# Altium PCB GameBoard_V1I1.PcbDoc (part 7 of 22) (continued)
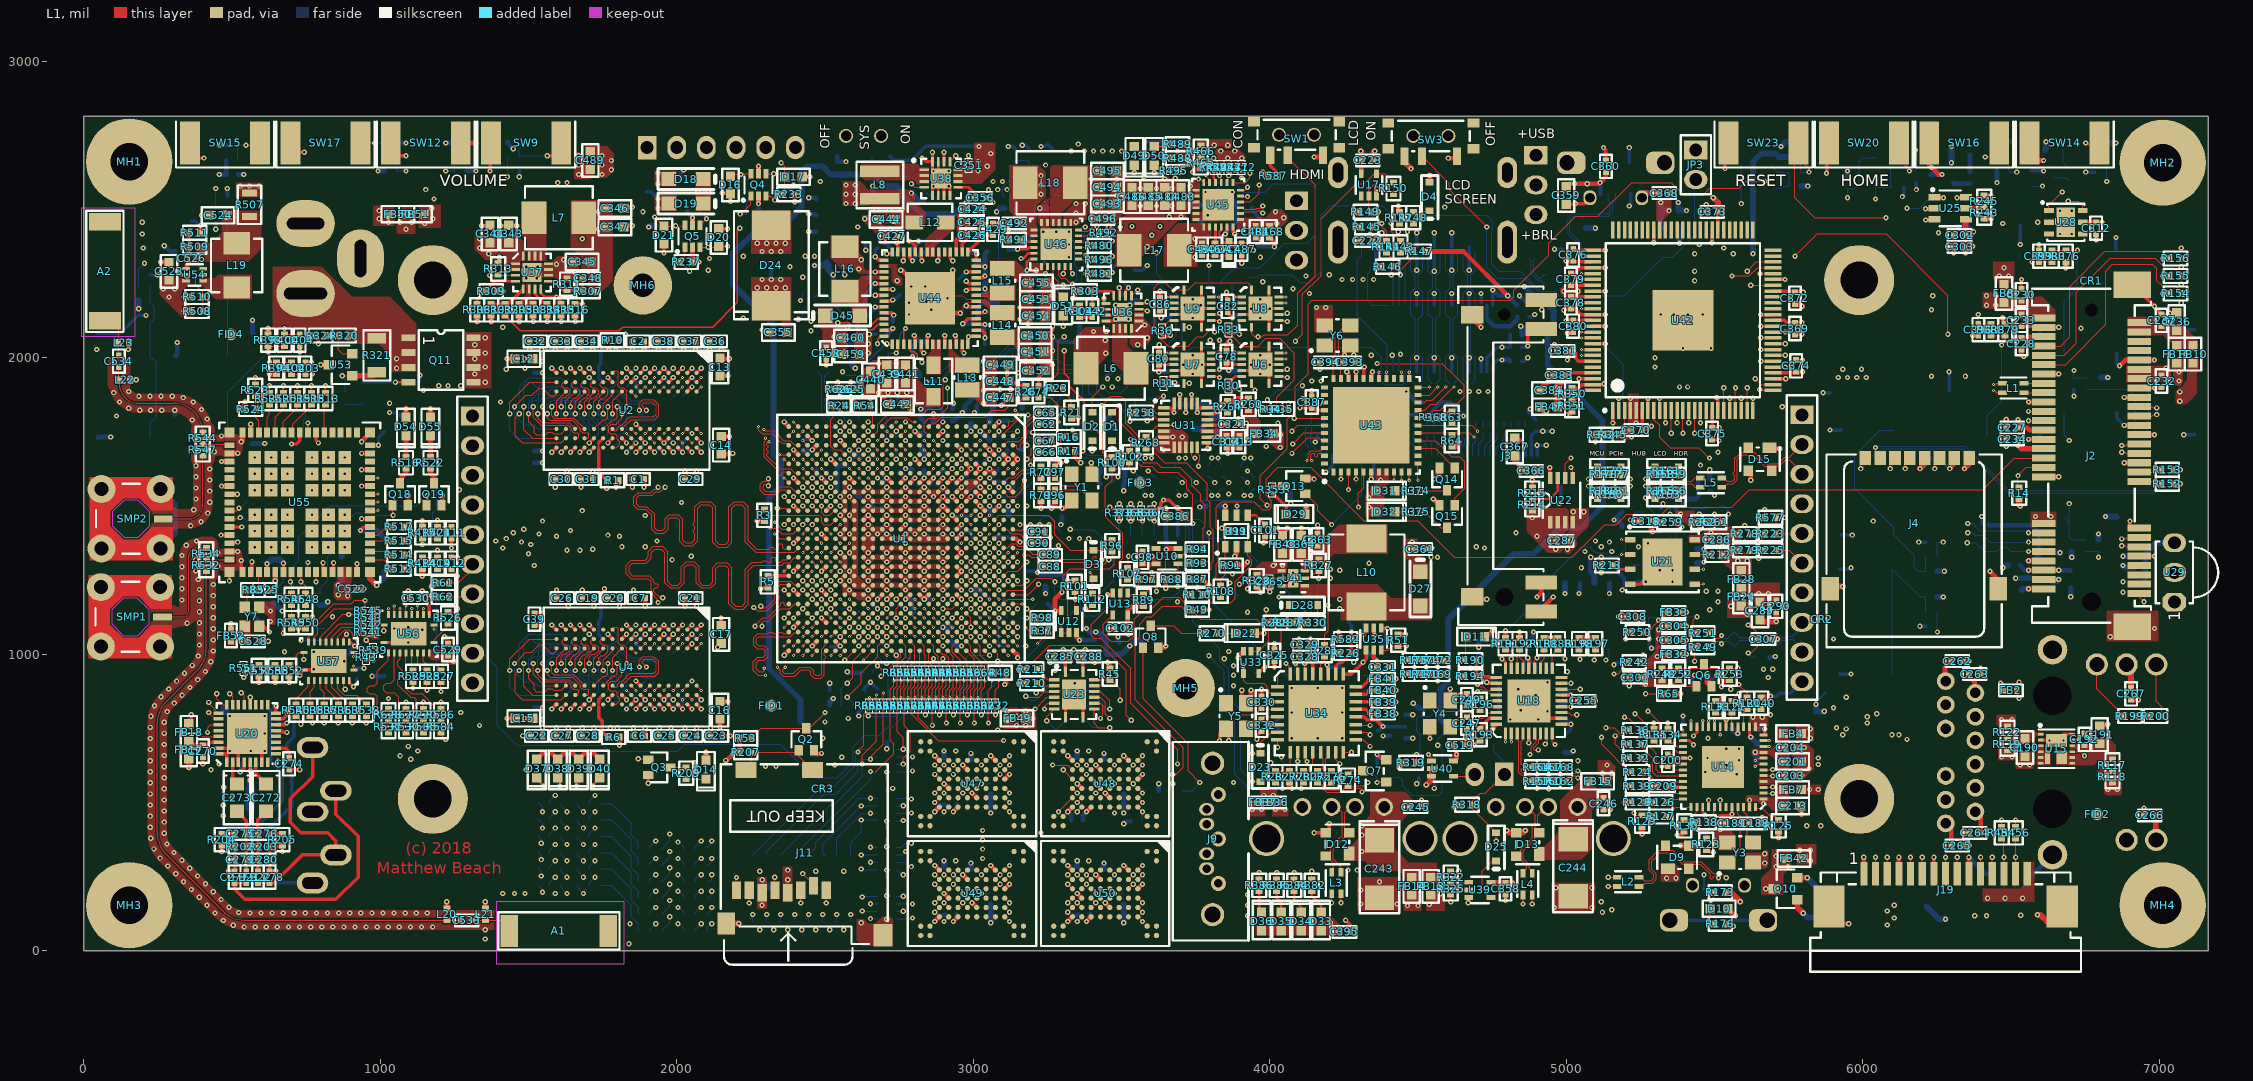
[diagram p0: L1 view]
## Nets (pads, with @x,y where several pads share a name; then routed paths per layer and width w, separated by ;. In a path a pad name is that pad's centre, name@x,y a point inside that pad or via, vN(x,y) a via of type N, cw(c..) or ccw(c..) an arc to the next point about the centre after c; other vN are vias at no path point) (continued)
  L12 w11.81: TP53.1@4267.72,1106.3 4275.59,1098.43 v1(4275.59,1074.8)
ANALOG_IN_2: R227.2 R583.2 TP54.1 U34.20 | length 204.4
  L1 w11.81: U34.20@4290.35,788.39 4317.91,788.39 4326.77,779.53 4358.27,779.53 v1(4381.89,755.91)
  L12 w11.81: TP54.1@4362.2,744.09 4370.08,744.09 v1(4381.89,755.91) R227.2@4456.69,755.91
ANALOG_IN_3: R228.2 TP55.1 U34.27 | length 130.1
  L1 w11.81: v1(4192.91,964.57) 4196.85,960.63 U34.27@4196.85,933.07
  L12 w11.81: v1(4192.91,964.57) 4200.79,956.69 TP55.1@4232.28,956.69 4240.02,964.43 R228.2@4240.02,1007.87
ANT1: R532.1 R534.2 U55.32 | length 77.8
  L1 w3.66: R532.1@413.39,1318.9 U55.32@491.14,1318.9
ANT1_FEED: A1.1 C533.2 L21.1 | length 159.4
  L1 w3.66: C533.2@1311.02,102.36 A1.1@1435.04,102.36
  L1 w11.81: A1.1@1435.04,66.93 A1.1@1435.04,102.36
ANT1_LC: C533.1 L20.1 R532.2 | length 2108.4
  L1 w3.15: R532.2@413.39,1279.53 413.39,1017.8 cw(c313.39,1017.8) 384.1,947.09 277.32,840.31 ccw(c348.03,769.6) 248.03,769.6 248.03,395.75 ccw(c348.03,395.75) 277.32,325.04 469.73,132.64 ccw(c540.44,203.35) 540.44,103.35 586.61,103.35 L20.1@1224.41,103.35 ; L20.1@1228.35,103.35 L20.1@1224.41,103.35 ; C533.1@1271.65,102.36 1225.39,102.36 L20.1@1224.41,103.35
ANT1_SMP: R534.1 SMP1.1 | length 359.7
  L1 w3.15: SMP1.1@265.75,1125.98 336.95,1125.98 ccw(c336.95,1139.43) 346.46,1129.92 ccw(c327.45,1148.93) 354.33,1148.93 354.33,1331.38 cw(c381.21,1331.38) 362.2,1350.39 cw(c381.21,1331.38) 381.21,1358.27 R534.1@413.39,1358.27
ANT2: R544.1 R547.2 U55.18 | length 91.2
  L1 w3.66: R544.1@401.57,1708.66 487.2,1708.66 U55.18@491.14,1704.72
ANT2_FEED: A2.1 C534.2 L23.1 | length 163.4
  L1 w3.15: A2.1@70.87,2124.02 118.11,2124.02 C534.2@118.11,2007.87
ANT2_LC: C534.1 L22.1 R544.2 | length 432.8
  L1 w3.15: C534.1@118.11,1968.5 118.11,1926.18 L22.1@119.09,1925.2 119.09,1912.4 ccw(c185.04,1912.4) 185.04,1846.46 303.15,1846.46 cw(c303.15,1748.03) R544.2@401.57,1748.03
ANT2_SMP: R547.1 SMP2.1 | length 326.3
  L1 w3.15: SMP2.1@267.72,1456.69 357.31,1456.69 ccw(c357.31,1497.02) 385.83,1468.5 ccw(c347.81,1506.52) 401.57,1506.52 R547.1@401.57,1669.29
AUD3_CLK: R58.2 U20.21 | length 4278.8
  L1 w3.15: v1(531.5,870.08) 541.34,860.24 U20.21@541.34,829.13
  L3 w3.15: v1(531.5,870.08) 531.5,889.76 598.43,956.69 598.43,1137.8 665.35,1204.72 775.59,1204.72 858.27,1287.4 858.27,1732.28 893.1,1767.12 893.1,1775.47 887.63,1780.94 887.63,1789.29 895.98,1797.64 904.33,1797.64 923.63,1778.35 931.98,1778.35 940.33,1786.7 940.33,1795.05 921.03,1814.35 921.03,1822.7 929.39,1831.05 937.74,1831.05 957.03,1811.75 965.39,1811.75 973.74,1820.11 973.74,1828.46 968.27,1833.93 968.27,1842.28 988.19,1862.2 988.19,1987.2 1056.1,2055.12 1255.91,2055.12 1287.4,2086.61 1322.83,2086.61 1350.39,2114.17 1350.39,2125.98 1377.95,2153.54 1396.65,2153.54 1428.15,2185.04 1622.05,2185.04 1641.73,2204.72 1688.98,2204.72 1830.71,2346.46 1937.01,2346.46 1944.88,2338.58 2003.94,2338.58 2015.75,2350.39 2157.48,2350.39 2165.35,2358.27 2229.54,2358.27 2255.13,2332.68 2373.24,2332.68 2406.71,2366.14 2467.31,2366.14 2480.32,2353.14 2480.32,2260.83 2496.06,2245.08 2496.06,2208.66 2593.5,2111.22 2593.5,2078.53 2639.55,2032.48 2649.82,2032.48 2700.79,1981.51 2700.79,1921.26 2728.35,1893.7 2728.35,1874.02 2700.79,1846.46 2700.79,1749.23 2723.43,1726.59 2723.43,1703.74 2704.72,1685.04 2685.04,1685.04 2677.17,1677.17 2677.17,1674.19 2677.17,1664.4 2684.09,1657.48 2704.72,1657.48 2723.43,1638.78 2723.43,1619.87 2713.79,1610.24 2661.42,1610.24 v2(2645.67,1625.98)
  L12 w3.15: v2(2645.67,1625.98) R58.2@2673.23,1653.54
AUD3_CLK_R: R58.1 U1.T5 | length 69.1
  L1 w3.15: v2(2645.67,1657.48) U1.T5@2661.42,1641.73
  L12 w3.15: v2(2645.67,1657.48) 2645.67,1665.35 R58.1@2673.23,1692.91
AUD3_RXD: U1.N3 U20.25 | length 4451.1
  L1 w3.15: v1(421.26,837.3) 421.26,834.25 U20.25@454.33,801.18 ; U1.N3@2755.91,1704.73 v3(2771.65,1688.98)
  L3 w3.15: v1(421.26,837.3) 421.26,893.03 473.12,944.88 473.12,980.99 515.75,1023.62 515.75,1181.88 550.65,1216.77 550.65,1225.13 542.66,1233.11 542.66,1241.46 551.01,1249.81 559.37,1249.81 571.52,1237.65 582.88,1226.3 591.23,1226.3 599.58,1234.65 599.58,1243 588.23,1254.36 576.07,1266.52 576.07,1274.87 584.42,1283.22 592.77,1283.22 600.76,1275.24 609.11,1275.24 665.35,1331.48 665.35,1763.78 688.38,1786.8 688.38,1795.15 683.08,1800.45 683.08,1808.8 691.43,1817.16 699.78,1817.16 718.73,1798.2 727.08,1798.2 735.43,1806.56 735.43,1814.91 716.48,1833.86 716.48,1842.21 724.83,1850.56 733.19,1850.56 752.14,1831.61 760.49,1831.61 768.84,1839.96 768.84,1848.31 763.54,1853.61 763.54,1861.97 771.65,1870.08 800.41,1870.08 846.46,1916.13 846.46,2023.62 937.01,2114.17 1248.03,2114.17 1503.94,2370.08 1744.09,2370.08 1767.72,2393.7 1925.2,2393.7 1951.77,2420.28 2385.83,2420.28 2405.51,2439.96 2465.55,2439.96 2523.62,2381.89 2523.62,2314.96 2542.32,2296.26 2542.32,2252.95 2645.67,2149.61 2673.23,2149.61 2708.66,2114.17 2733.48,2114.17 2763.78,2083.87 2763.78,1941.78 2806.1,1899.45 2806.1,1869.25 2788.23,1851.38 2776.57,1851.38 2740.16,1814.96 2740.16,1783.98 2763.78,1760.36 2763.78,1741.35 2751.97,1729.54 2751.97,1708.66 v4(2759.84,1700.79)
  L2 w3.15: v4(2759.84,1700.79) v3(2771.65,1688.98)
AUD3_TXC: R57.2 U20.24 | length 4298.4
  L1 w3.15: v1(448.82,866.14) 448.82,850.39 470.08,829.13 U20.24@482.28,829.13
  L3 w3.15: v1(448.82,866.14) 448.82,838.58 429.13,818.9 413.39,818.9 405.51,811.02 405.51,795.28 413.39,787.4 460.63,787.4 516.73,843.5 516.73,919.5 582.68,985.45 582.68,1139.46 666.23,1223.01 734.82,1223.01 768.7,1256.89 768.7,1300.2 810.04,1341.54 810.04,1756.95 960.63,1907.54 960.63,1991.14 1036.61,2067.13 1248.23,2067.13 1350.39,2169.29 1383.86,2169.29 1442.91,2228.35 1685.04,2228.35 1818.9,2362.2 1941.93,2362.2 1957.68,2377.95 2082.68,2377.95 2095.47,2390.75 2177.38,2390.75 2189.68,2378.44 2246.35,2378.44 2281.29,2343.5 2367.13,2343.5 2405.51,2381.89 2477.57,2381.89 2494.09,2365.37 2494.09,2269.84 2507.87,2256.06 2507.87,2228.35 2610.24,2125.98 2610.24,2097.23 2643.49,2063.98 2652.56,2063.98 2662.4,2054.13 2662.4,2041.13 2712.6,1990.93 2712.6,1937.01 2759.84,1889.76 2759.84,1874.69 2751.29,1866.14 2740.16,1866.14 2712.6,1838.58 2712.6,1787.4 2708.66,1783.46 2708.66,1755.91 2732.16,1732.4 2732.16,1665.47 v2(2740.16,1657.48)
  L12 w3.15: v2(2740.16,1657.48) R57.2@2740.16,1685.04
AUD3_TXC_R: R57.1 U1.N1 | length 49.8
  L1 w3.15: v2(2740.16,1751.97) U1.N1@2755.91,1767.72
  L12 w3.15: R57.1@2740.16,1724.41 v2(2740.16,1751.97)
AUD3_TXD: U1.P2 U20.26 | length 4448.7
  L1 w3.15: v1(421.26,803.15) 421.77,803.15 443.42,781.5 U20.26@454.33,781.5 ; v3(2708.66,1751.97) U1.P2@2724.41,1736.22
  L3 w3.15: v1(421.26,803.15) 452.76,803.15 507.87,858.27 507.87,933.07 562.99,988.19 562.99,1144.48 748.03,1329.51 748.03,1545.28 742.13,1551.18 733.15,1551.18 727.24,1557.09 727.24,1568.9 733.15,1574.8 754.83,1574.8 760.74,1580.71 760.74,1592.52 754.83,1598.43 733.15,1598.43 727.24,1604.33 727.24,1616.14 733.15,1622.05 742.13,1622.05 748.03,1627.95 748.03,1651.57 742.13,1657.48 732.03,1657.48 726.13,1663.39 726.13,1675.2 732.03,1681.1 742.13,1681.1 748.03,1687.01 748.03,1724.41 913.39,1889.76 913.39,1984.25 945.12,2015.99 945.12,2024.34 939.33,2030.13 939.33,2038.48 947.68,2046.83 956.03,2046.83 961.82,2041.04 970.18,2041.04 1011.81,2082.68 1248.03,2082.68 1417.32,2251.97 1541.34,2251.97 1547.24,2257.87 1547.24,2292.14 1553.15,2298.04 1564.96,2298.04 1570.87,2292.14 1570.87,2246.05 1576.77,2240.14 1588.58,2240.14 1594.49,2246.05 1594.49,2292.14 1600.39,2298.04 1612.2,2298.04 1618.11,2292.14 1618.11,2246.05 1624.02,2240.14 1635.83,2240.14 1641.73,2246.05 1641.73,2292.14 1647.64,2298.04 1659.45,2298.04 1665.35,2292.14 1665.35,2257.87 1671.26,2251.97 1685.04,2251.97 1806.1,2373.03 1937.01,2373.03 1965.55,2401.57 2469.02,2401.57 2502.95,2367.64 2502.95,2272.12 2515.75,2259.32 2515.75,2240.16 2693.9,2062.01 2693.9,2038.39 2724.41,2007.87 2724.41,1943.69 2738.96,1929.13 2749.23,1929.13 2790.35,1888.01 2790.35,1875.77 2781.71,1867.13 2763.41,1867.13 2720.47,1824.19 v4(2720.47,1763.78)
  L2 w3.15: v3(2708.66,1751.97) v4(2720.47,1763.78)
AUD3_TXFS: U1.N4 U20.23 | length 4450.4
  L1 w3.15: v1(492.13,866.14) 501.97,856.3 U20.23@501.97,829.13 ; U1.N4@2755.91,1673.23 v3(2771.65,1657.48)
  L3 w3.15: v1(492.13,866.14) 492.13,952.76 547.24,1007.87 547.24,1161.42 618.11,1232.28 618.11,1251.97 636.29,1270.15 636.29,1270.67 657.69,1270.67 704.72,1317.7 704.72,1421.26 712.6,1429.13 728.35,1429.13 736.22,1437.01 736.22,1448.82 728.35,1456.69 712.6,1456.69 704.72,1464.57 704.72,1476.38 712.6,1484.25 728.35,1484.25 736.22,1492.13 736.22,1503.94 728.35,1511.81 696.85,1511.81 688.98,1519.68 688.98,1531.5 696.85,1539.37 708.66,1539.37 715.55,1546.26 715.55,1725.6 709.65,1731.51 685.14,1731.51 679.24,1737.41 679.24,1749.23 685.14,1755.13 707.89,1755.13 780.51,1827.75 791.34,1827.75 807.36,1811.72 815.71,1811.72 824.07,1820.08 824.07,1828.43 800.55,1851.94 800.55,1859.09 810.11,1868.65 817.25,1868.65 840.77,1845.13 849.12,1845.13 857.47,1853.48 857.47,1861.83 838.13,1881.17 838.13,1889.53 850.18,1901.57 875,1901.57 889.76,1916.34 889.76,2031.5 956.69,2098.43 1249.38,2098.43 1497.41,2346.46 1731.61,2346.46 1768.03,2382.87 1929.13,2382.87 1955.71,2409.45 2472.28,2409.45 2512.8,2368.94 2512.8,2273.41 2523.62,2262.59 2523.62,2251.97 2643.08,2132.51 2662.25,2132.51 2755.91,2038.85 2755.91,1938.52 2798.23,1896.19 2798.23,1872.51 2784.97,1859.25 2773.31,1859.25 2732.28,1818.22 2732.28,1780.72 2754.92,1758.08 2754.92,1743.63 2740.16,1728.87 2740.16,1696.85 2748.03,1688.98 2759.84,1688.98 2779.53,1669.29 v4(2783.46,1669.29)
  L2 w3.15: v3(2771.65,1657.48) v4(2783.46,1669.29)
AUD_HP_L: C272.1 U20.6 | length 87.5
  L1 w11.81: U20.6@580.71,635.43 580.71,596.54 C272.1@615.08,562.17
AUD_HP_R: C273.1 U20.2 | length 79.4
  L1 w11.81: U20.2@501.97,635.43 501.97,576.85 C273.1@516.65,562.17
AUD_HP_VGND: R201.1 U20.4 | length 75.2
  L1 w11.81: v1(527.56,602.36) 541.34,616.14 U20.4@541.34,635.43
  L12 w15.75: v1(527.56,602.36) 527.56,622.05 R201.1@539.37,633.86
AUD_VAG: C274.1 U20.10 | length 71.4
  L1 w11.81: U20.10@648.03,683.07 681.1,683.07 692.91,671.26 C274.1@692.91,649.61
BAT1: C488.1 R475.1 U45.13 U45.14
  other v1: 3602.36,2413.39 3535.43,2442.91 3629.92,2442.91 3661.42,2476.38 3728.35,2545.28 3732.28,2578.74
BAT2: C498.1 R476.1 U46.13 U46.14
  other v1: 3346.46,2456.69 3346.46,2488.19 3346.46,2519.68 3377.95,2519.68
BL_CTRL: D28.2 R327.1 R329.1 R330.2 U41.5 | length 300
  L1 w3.15: U41.5@4117.91,1255.91 4133.34,1255.91 4156.96,1279.53 R327.1@4165.35,1279.53 v1(4165.35,1255.91) ; R330.2@4165.35,1106.3 4161.42,1110.24 v1(4161.42,1133.86) D28.2@4161.42,1165.35 D28.2@4165.35,1169.29
  L12 w3.15: R329.1@4165.35,1106.3 4165.35,1129.92 v1(4161.42,1133.86) 4161.42,1228.35 4165.35,1232.28 v1(4165.35,1255.91)
BL_PWM: R329.2 U1.B19 | length 1633.2
  L1 w3.15: U1.B19@3102.36,1200.79 3117.01,1215.43 3172.13,1215.43 3212.6,1255.91 3263.78,1255.91 v1(3275.59,1244.09)
  L12 w3.15: v1(3275.59,1244.09) 3275.59,1200.79 3291.34,1185.04 3314.96,1185.04 3334.65,1204.72 3350.39,1204.72 3362.2,1192.91 3362.2,1141.73 3374.02,1129.92 3417.32,1129.92 3472.44,1185.04 3667.42,1185.04 3728.35,1245.97 3728.35,1420.74 3725.39,1423.69 3725.39,1447.06 3734.04,1455.71 3762.02,1455.71 3778.54,1439.19 3778.54,1405.3 3792.11,1391.73 3879.7,1391.73 4066.93,1204.5 4066.93,1133.86 4094.49,1106.3 R329.2@4125.98,1106.3
BOARD_ID_1: R73.2 U1.W23 | length 56.8
  L1 w3.15: v2(2551.18,1059.06) U1.W23@2566.93,1074.8
  L12 w3.15: R73.2@2518.98,1064.62 2545.61,1064.62 v2(2551.18,1059.06)
BOARD_VARIANT_0: R72.1 R76.2 U1.P25 | length 203
  L1 w3.15: U1.P25@2724.41,1011.81 v2(2740.16,996.06)
  L12 w3.15: R72.1@2712.6,826.77 2712.6,925.2 2740.16,952.76 v2(2740.16,996.06)
BOARD_VARIANT_1: R71.1 R75.2 U1.R24 | length 307.2
  L1 w3.15: v1(2574.8,854.33) 2622.05,901.57 2622.05,937.01 2677.17,992.13 2677.17,1027.56 U1.R24@2692.91,1043.31
  L12 w3.15: R71.1@2594.49,825 2594.49,834.65 v1(2574.8,854.33) 2594.49,874.02 R75.2@2594.49,877.95
BOARD_VARIANT_2: R70.1 R74.2 U1.U25 | length 216.1
  L1 w3.15: v1(2574.8,901.57) 2594.12,920.89 2594.12,976.07 2612.2,994.16 2612.27,994.16 U1.U25@2629.92,1011.81
  L12 w3.15: R70.1@2555.12,826.77 R74.2@2555.12,877.95 2555.12,881.89 v1(2574.8,901.57)
BOOT_CFG_00: R578.1 R642.2 RN2.9 | length 1040.2
  L1 w3.15: v2(2763.78,629.21) 2763.78,649.61 2787.4,673.23 2787.4,738.19 2767.72,757.87 R642.2@2767.72,816.34
  L10 w3.15: v2(2303.15,122.05) 2366.14,185.04 2519.69,185.04 2590.55,255.91 2590.55,322.83 2678.15,410.43 2678.15,465.03 2763.78,550.66 v2(2763.78,629.21)
  L12 w3.15: R578.1@2303.15,98.43 v2(2303.15,122.05) ; RN2.9@2740.16,629.21 v2(2763.78,629.21)
BOOT_CFG_01: R579.1 R643.2 RN2.8 | length 1200
  L1 w3.15: v3(2897.64,854.33) 2897.64,881.89 2909.45,893.7 R643.2@2909.45,926.57
  L3 w3.15: v2(2795.28,653.54) 2795.28,677.17 2863.19,745.08 2871.58,745.08 2885.83,759.32 2885.83,767.72 2900.59,782.48 2900.59,811.02 2897.64,813.98 v4(2897.64,833.27)
  L10 w3.15: v2(2350.39,122.05) 2403.94,175.59 2521.37,175.59 2601.17,255.39 2601.17,290.14 2614.17,303.15 2629.07,303.15 2675.97,350.05 2675.97,381.37 2686.02,391.42 2686.02,461.77 2779.53,555.28 2779.53,618.11 2795.28,633.86 v2(2795.28,653.54)
  L2 w3.15: v4(2897.64,833.27) v3(2897.64,854.33)
  L12 w3.15: R579.1@2350.39,98.43 v2(2350.39,122.05) ; RN2.8@2740.16,654.25 2763.78,654.25 2764.49,653.54 v2(2795.28,653.54)
BOOT_CFG_02: R588.1 R644.2 RN2.10 | length 1015.3
  L1 w3.15: v2(2838.58,795.28) R644.2@2838.58,816.34
  L10 w3.15: v2(2397.64,122.05) 2424,122.05 2448.02,146.06 2510.64,146.06 2619.97,255.39 2631.31,255.39 2683.85,307.93 2683.85,378.11 2693.9,388.16 2693.9,458.51 2795.28,559.89 v2(2795.28,606.3) 2814.96,625.98 2814.96,692.91 2838.58,716.54 v2(2838.58,795.28)
  L12 w3.15: R588.1@2397.64,98.43 v2(2397.64,122.05) ; RN2.10@2740.16,604.25 2793.23,604.25 v2(2795.28,606.3)
BOOT_CFG_03: R629.1 R645.2 RN1.8 | length 1031.3
  L1 w3.15: v3(2874.02,854.33) 2874.02,881.89 2885.83,893.7 R645.2@2885.83,926.57
  L3 w3.15: v2(2763.78,488.9) 2763.78,606.3 2778.54,621.06 2778.54,687.01 2841.54,750 2841.54,764.76 2865.65,788.88 2865.65,811.52 2874.02,819.88 v4(2874.02,833.27)
  L10 w3.15: v2(2492.13,122.05) 2508.9,122.05 2528.58,141.73 2539.92,141.73 2723.43,325.24 2723.43,388.78 2739.67,405.02 2739.67,453.25 2763.78,477.36 v2(2763.78,488.9)
  L2 w3.15: v4(2874.02,833.27) v3(2874.02,854.33)
  L12 w3.15: R629.1@2492.13,98.43 v2(2492.13,122.05) ; RN1.8@2740.16,488.9 v2(2763.78,488.9)
BOOT_CFG_04: R630.1 R646.2 RN1.9 | length 926.2
  L1 w3.15: v2(2885.83,795.28) R646.2@2885.83,816.34
  L10 w3.15: v2(2539.37,122.05) 2685.04,267.72 2685.04,275.71 2731.3,321.97 2731.3,351.01 2749.02,368.73 2749.02,445.01 2768.57,464.57 v2(2791.34,464.57) 2830.71,503.94 2830.71,675.81 2870.08,715.18 2885.83,730.93 v2(2885.83,795.28)
  L12 w3.15: R630.1@2539.37,98.43 v2(2539.37,122.05) ; RN1.9@2740.16,463.86 2790.63,463.86 v2(2791.34,464.57)
BOOT_CFG_05: R631.1 R647.2 RN1.7 | length 999.8
  L1 w3.15: v2(2862.2,759.84) R647.2@2862.2,816.34
  L10 w3.15: v2(2444.88,122.05) 2471.25,122.05 2487.39,138.19 2513.9,138.19 2608,232.28 2619.34,232.28 2691.72,304.67 2691.72,374.85 2728.35,411.48 2728.35,481.82 2758.33,511.81 v2(2791.34,511.81) 2822.83,543.31 2822.83,679.08 2862.2,718.45 v2(2862.2,759.84)
  L12 w3.15: R631.1@2444.88,98.43 v2(2444.88,122.05) ; RN1.7@2740.16,513.86 2789.29,513.86 v2(2791.34,511.81)
BOOT_CFG_06: R632.1 R648.2 RN1.10 | length 981.6
  L1 w3.15: v3(2850.39,854.33) 2850.39,881.89 2862.2,893.7 R648.2@2862.2,926.57
  L3 w3.15: v2(2763.78,438.9) 2749.02,453.66 2749.02,685.33 2757.66,693.98 2758.16,693.98 2853.35,789.16 2853.35,811.02 2850.39,813.98 v4(2850.39,833.27)
  L10 w3.15: v2(2586.61,122.05) 2587.81,122.05 2740.16,274.4 2740.16,348.73 2760,368.58 2760,435.12 v2(2763.78,438.9)
  L2 w3.15: v4(2850.39,833.27) v3(2850.39,854.33)
  L12 w3.15: R632.1@2586.61,98.43 v2(2586.61,122.05) ; RN1.10@2740.16,438.9 v2(2763.78,438.9)
BOOT_CFG_07: R633.1 R649.2 RN1.5 | length 802.5
  L1 w3.15: v3(2803.15,854.33) 2803.15,881.89 2814.96,893.7 R649.2@2814.96,926.57
  L3 w3.15: v2(2653.54,513.86) 2724.41,584.72 2724.41,688.65 2803.15,767.39 v4(2803.15,833.27)
  L2 w3.15: v4(2803.15,833.27) v3(2803.15,854.33)
  L12 w3.15: R633.1@2444.88,322.83 2468.5,346.46 2468.5,366.14 2616.22,513.86 v2(2653.54,513.86) RN1.5@2677.17,513.86
BOOT_CFG_08: R634.1 R650.2 RN1.3 | length 768.6
  L1 w3.15: v3(2826.77,854.33) 2826.77,881.89 2838.58,893.7 R650.2@2838.58,926.57
  L3 w3.15: v2(2653.54,463.86) 2712.6,522.91 2712.6,555.12 2736.22,578.74 2736.22,689.32 2818.9,772 2818.9,803.15 2826.77,811.02 v4(2826.77,833.27)
  L2 w3.15: v4(2826.77,833.27) v3(2826.77,854.33)
  L12 w3.15: R634.1@2539.37,322.83 2539.37,379.15 2624.08,463.86 v2(2653.54,463.86) RN1.3@2677.17,463.86
BOOT_CFG_09: R635.1 R651.2 RN2.3 | length 685.6
  L1 w3.15: v2(2625.98,629.92) 2625.98,658.46 2673.23,705.71 2673.23,792.72 R651.2@2673.23,816.34
  L12 w3.15: R635.1@2350.39,322.83 2519.68,492.13 2531.5,492.13 2625.98,586.61 v2(2625.98,629.92) 2626.69,629.21 RN2.3@2677.17,629.21
BOOT_CFG_10: R636.1 R652.2 RN2.4 | length 726
  L1 w3.15: v2(2653.54,645.67) 2653.54,653.54 2696.85,696.85 R652.2@2696.85,816.34
  L12 w3.15: R636.1@2303.15,322.83 2303.15,334.65 2496.06,527.56 2535.43,527.56 2611.22,603.35 2611.22,636.04 2620.85,645.67 v2(2653.54,645.67) 2662.13,654.25 RN2.4@2677.17,654.25
BOOT_CFG_11: R637.1 R653.2 RN2.7 | length 1074.2
  L1 w3.15: R653.2@2744.09,816.34 2744.09,738.19 2763.78,718.5 v2(2763.78,679.21)
  L10 w3.15: v2(2255.91,122.05) 2277.79,122.05 2348.65,192.91 2511.81,192.91 2582.68,263.78 2582.68,330.71 2670.28,418.31 2670.28,468.29 2755.91,553.92 2755.91,616.21 2749.02,623.1 2749.02,635.33 2763.78,650.09 v2(2763.78,679.21)
  L12 w3.15: R637.1@2255.91,98.43 v2(2255.91,122.05) ; RN2.7@2740.16,679.21 v2(2763.78,679.21)
BOOT_CFG_12: R638.1 R654.2 RN1.2 | length 744.5
  L1 w3.15: v3(2779.53,854.33) 2779.53,881.89 2791.34,893.7 R654.2@2791.34,926.57
  L3 w3.15: v2(2622.05,440.94) 2622.05,463.58 2638.78,480.32 2638.78,530.67 2691.93,583.82 2691.93,699.8 2759.84,767.72 2759.84,813.58 v4(2779.53,833.27)
  L2 w3.15: v4(2779.53,833.27) v3(2779.53,854.33)
  L12 w3.15: R638.1@2586.61,322.83 2586.61,365.58 2622.05,401.02 v2(2622.05,440.94) 2675.12,440.94 RN1.2@2677.17,438.9
BOOT_CFG_13: R639.1 R655.2 RN2.2 | length 670.2
  L1 w3.15: v2(2653.54,604.25) 2671.18,604.25 2731.3,664.37 2731.3,697.51 2720.47,708.33 R655.2@2720.47,816.34
  L12 w3.15: R639.1@2397.64,322.83 2653.54,578.74 v2(2653.54,604.25) RN2.2@2677.17,604.25
BOOT_CFG_14: R640.1 R656.2 RN2.5 | length 751.6
  L1 w3.15: v2(2611.22,670.28) 2611.22,674.21 2629.92,692.91 2629.92,796.65 R656.2@2649.61,816.34
  L12 w3.15: R640.1@2255.91,322.83 2488.19,555.12 2531.5,555.12 2603.35,626.97 2603.35,662.4 v2(2611.22,670.28) 2620.16,679.21 RN2.5@2677.17,679.21
BOOT_CFG_15: R641.1 R657.2 RN1.4 | length 774.7
  L1 w3.15: v3(2732.28,854.33) 2732.28,881.89 2744.09,893.7 R657.2@2744.09,926.57
  L3 w3.15: v2(2622.05,488.19) 2622.05,551.88 2669.29,599.12 2669.29,700.79 2732.28,763.78 v4(2732.28,818.9)
  L2 w3.15: v4(2732.28,818.9) v3(2732.28,854.33)
  L12 w3.15: R641.1@2492.13,322.83 2500,322.83 2492.13,330.71 2492.13,358.27 v2(2622.05,488.19) 2622.76,488.9 RN1.4@2677.17,488.9
BOOT_CFG_16: R658.2 RN4.5 | length 779.2
  L1 w3.15: v3(2921.26,854.33) 2921.26,877.28 2933.07,889.09 R658.2@2933.07,926.57
  L3 w3.15: v2(2653.54,348.5) 2679.21,348.5 2700.79,370.08 2726.44,370.08 2814.96,458.6 2814.96,680.29 2866.95,732.28 2901.57,732.28 2927.17,757.87 2927.17,773.62 2913.39,787.4 2913.39,807.09 2921.26,814.96 v4(2921.26,833.27)
  L2 w3.15: v4(2921.26,833.27) v3(2921.26,854.33)
  L12 w3.15: v2(2653.54,348.5) RN4.5@2677.17,348.5
BOOT_CFG_17: R661.2 RN4.4 | length 873.6
  L1 w3.15: v3(2944.88,854.33) 2944.88,878.63 2956.69,890.44 R661.2@2956.69,926.57
  L3 w3.15: v2(2622.05,322.83) 2623.03,323.82 2702.97,323.82 2723.43,344.28 2723.43,355.93 2822.83,455.34 2822.83,677.03 2870.22,724.41 2915.55,724.41 2941.93,750.79 2941.93,773.83 2947.83,779.74 2947.83,804.13 2944.88,807.09 v4(2944.88,833.27)
  L2 w3.15: v4(2944.88,833.27) v3(2944.88,854.33)
  L12 w3.15: v2(2622.05,322.83) 2622.76,323.54 RN4.4@2677.17,323.54
BOOT_CFG_18: R660.2 RN3.9 | length 1074.8
  L1 w3.15: v2(3003.94,767.72) R660.2@3003.94,816.34
  L10 w3.15: v2(2763.78,133.15) 2764.49,133.86 2811.02,133.86 2830.71,114.17 2830.71,85.94 2849.72,66.93 2944.94,66.93 2955.71,77.7 2955.71,110.54 2949.8,116.45 2949.8,167.53 2958.45,176.18 2971.46,176.18 2996.06,200.79 2996.06,270.98 3011.81,286.73 3011.81,298.69 3003.94,306.57 3003.94,412.71 3027.56,436.33 3027.56,530.98 2996.06,562.47 2996.06,645.67 3011.81,661.42 3011.81,688.98 3003.94,696.85 v2(3003.94,767.72)
  L12 w3.15: RN3.9@2740.16,133.15 v2(2763.78,133.15)
BOOT_CFG_19: R659.2 RN4.3 | length 858.5
  L1 w3.15: v3(2968.5,854.33) 2968.5,879.98 2980.32,891.79 2980.32,913.45 R659.2@2980.32,926.57
  L3 w3.15: v2(2653.54,298.5) 2677.13,298.5 2694.57,315.94 2706.23,315.94 2731.3,341.02 2731.3,352.67 2830.71,452.08 2830.71,673.77 2873.48,716.54 2944.88,716.54 2971.46,743.11 2971.46,773.83 2960.63,784.66 2960.63,807.09 2968.5,814.96 v4(2968.5,833.27)
  L2 w3.15: v4(2968.5,833.27) v3(2968.5,854.33)
  L12 w3.15: v2(2653.54,298.5) RN4.3@2677.17,298.5
BOOT_CFG_20: R662.2 RN3.10 | length 1052.9
  L1 w3.15: v2(3027.56,795.28) R662.2@3027.56,816.34
  L10 w3.15: v2(2795.28,110.24) 2846.46,59.06 2948.2,59.06 2980.32,91.17 2980.32,169.29 3003.94,192.91 3003.94,267.72 3019.68,283.46 3019.68,301.96 3011.81,309.83 3011.81,409.45 3035.43,433.07 3035.43,534.24 3003.94,565.73 3003.94,641.06 3019.69,656.8 3019.69,691.56 3027.56,699.44 v2(3027.56,795.28)
  L12 w3.15: RN3.10@2740.16,108.19 2793.23,108.19 v2(2795.28,110.24)
BOOT_CFG_21: R663.2 RN3.7 | length 1064.6
  L1 w3.15: v2(2956.69,767.72) R663.2@2956.69,816.34
  L10 w3.15: v2(2763.78,183.15) 2765.67,185.04 2799.21,185.04 2850.39,133.86 2850.39,94.49 2862.2,82.68 2909.45,82.68 2917.32,90.55 2917.32,106.3 2929.13,118.11 2929.13,177.17 2940.95,188.98 2940.95,204.72 2979.33,243.11 2979.33,276.06 2969.49,285.9 2969.49,308.07 2988.19,326.77 2988.19,419.23 3007.87,438.92 3007.87,467.31 2948.82,526.36 2948.82,570.87 2979.33,601.38 2979.33,642.72 2956.69,665.35 v2(2956.69,767.72)
  L12 w3.15: RN3.7@2740.16,183.15 v2(2763.78,183.15)
BOOT_CFG_22: R664.2 RN4.8 | length 792.5
  L1 w3.15: v3(3015.75,854.33) 3015.75,877.95 3027.56,889.76 R664.2@3027.56,926.57
  L3 w3.15: v2(2771.65,334.65) 2771.65,363.4 2846.46,438.2 2846.46,667.24 2880,700.79 2964.57,700.79 3018.7,754.92 3018.7,773.83 3007.87,784.66 3007.87,807.09 3015.75,814.96 v4(3015.75,833.27)
  L2 w3.15: v4(3015.75,833.27) v3(3015.75,854.33)
  L12 w3.15: RN4.8@2740.16,323.54 2760.55,323.54 v2(2771.65,334.65)
BOOT_CFG_23: R665.2 RN4.10 | length 661.5
  L1 w3.15: v2(2909.45,767.72) R665.2@2909.45,816.34
  L10 w3.15: v2(2763.78,255.91) 2751.97,267.72 2751.97,349.41 2767.87,365.31 2767.87,397.79 2838.58,468.5 2838.58,493.48 2846.46,501.35 2846.46,669.29 2909.45,732.28 v2(2909.45,767.72)
  L12 w3.15: RN4.10@2740.16,273.54 2746.14,273.54 v2(2763.78,255.91)
BOOT_CFG_24: R666.2 RN4.2 | length 953.1
  L1 w3.15: v3(2992.13,854.33) 2992.13,877.95 3003.94,889.76 R666.2@3003.94,925.2
  L3 w3.15: v2(2622.05,275.59) 2624.09,273.54 2663.31,273.54 2697.83,308.07 2716.17,308.07 2739.17,331.08 2739.17,349.41 2838.58,448.82 2838.58,670.51 2876.74,708.66 2960.63,708.66 2989.17,737.2 2989.17,773.83 2995.08,779.74 2995.08,830.31 v4(2992.13,833.27)
  L2 w3.15: v4(2992.13,833.27) v3(2992.13,854.33)
  L12 w3.15: v2(2622.05,275.59) 2624.09,273.54 RN4.2@2677.17,273.54
BOOT_CFG_25: R667.2 RN4.7 | length 1072.8
  L1 w3.15: v3(2755.91,854.33) 2755.91,881.89 2767.72,893.7 R667.2@2767.72,926.57
  L3 w3.15: v4(2755.91,833.27) 2769.09,846.46 3020.67,846.46 3043.31,823.82 3043.31,787.4 3026.57,770.67 3026.57,751.66 2967.83,692.91 2883.26,692.91 2854.33,663.98 2854.33,425.2 v2(2791.34,362.2)
  L2 w3.15: v4(2755.91,833.27) v3(2755.91,854.33)
  L12 w3.15: RN4.7@2740.16,348.5 2741.06,349.41 2758.86,349.41 2771.65,362.2 v2(2791.34,362.2)
BOOT_CFG_26: R668.2 RN3.8 | length 1069.5
  L1 w3.15: v2(2980.32,795.28) R668.2@2980.32,816.34
  L10 w3.15: v2(2795.28,157.48) 2811.02,157.48 2842.52,125.98 2842.52,85.26 2852.98,74.8 2930.33,74.8 2947.83,92.31 2947.83,107.28 2937.01,118.11 2937.01,165.87 2948.82,177.68 2948.82,200.79 2987.2,239.17 2987.2,279.32 2977.36,289.16 2977.36,304.81 2996.06,323.51 2996.06,415.97 3019.68,439.59 3019.68,487 2980.32,526.37 2980.32,551.18 2988.19,559.06 2988.19,645.67 2977.36,656.5 2977.36,792.32 v2(2980.32,795.28)
  L12 w3.15: RN3.8@2740.16,158.19 2740.87,157.48 v2(2795.28,157.48)
BOOT_CFG_27: R669.2 RN3.3 | length 1350.4
  L1 w3.15: R669.2@2814.96,816.34 2814.96,786.21 2857.07,744.09 v2(3082.68,744.09)
  L3 w3.15: v2(2625.98,133.86) 2708.66,133.86 2725.12,150.32 2762.96,150.32 2847.44,234.8 2847.44,296.78 2893.18,342.52 v2(3031.5,342.52)
  L10 w3.15: v2(3031.5,342.52) 3059.06,370.08 3059.06,421.26 3082.68,444.88 3082.68,503.94 3059.06,527.56 3059.06,633.86 3043.31,649.61 3043.31,681.78 3082.68,721.15 v2(3082.68,744.09)
  L12 w3.15: v2(2625.98,133.86) 2626.69,133.15 RN3.3@2677.17,133.15
BOOT_CFG_28: R670.2 RN4.9 | length 661.9
  L1 w3.15: v2(2933.07,795.28) R670.2@2933.07,816.34
  L10 w3.15: v2(2791.34,283.46) 2791.34,338.58 2775.75,354.17 2775.75,392.51 2846.46,463.22 2846.46,490.22 2854.33,498.09 2854.33,665.35 2933.07,744.09 v2(2933.07,795.28)
  L12 w3.15: RN4.9@2740.16,298.5 2776.3,298.5 v2(2791.34,283.46)
BOOT_CFG_29: R671.2 RN3.2 | length 1375.2
  L1 w3.15: R671.2@2791.34,816.34 2791.34,798.69 2881.37,708.66 v2(3102.36,708.66)
  L3 w3.15: v2(2653.54,108.19) 2666.42,121.06 2729.33,121.06 2736.22,114.17 2775.59,114.17 2855.32,193.9 2855.32,293.52 2884.63,322.83 3019.69,322.83 v2(3031.5,311.02)
  L10 w3.15: v2(3031.5,311.02) 3069.88,349.41 3069.88,416.34 3094.49,440.94 3094.49,507.87 3066.93,535.43 3066.93,637.8 3102.36,673.23 v2(3102.36,708.66)
  L12 w3.15: v2(2653.54,108.19) RN3.2@2677.17,108.19
BOOT_CFG_30: R672.2 RN3.4 | length 1020.2
  L1 w3.15: v2(3074.8,795.28) R672.2@3074.8,816.34
  L3 w3.15: v2(2653.54,158.19) 2759.7,158.19 2839.57,238.06 2839.57,300.04 2892.05,352.52 3010,352.52 v2(3031.5,374.02)
  L10 w3.15: v2(3031.5,374.02) 3051.18,393.7 3051.18,432.8 3074.8,456.42 3074.8,488.19 3051.18,511.81 3051.18,630.6 3035.43,646.34 3035.43,685.04 3065.95,715.55 3065.95,786.42 v2(3074.8,795.28)
  L12 w3.15: v2(2653.54,158.19) RN3.4@2677.17,158.19
BOOT_CFG_31: R673.2 RN3.5 | length 1040.9
  L1 w3.15: v2(3051.18,767.72) R673.2@3051.18,816.34
  L3 w3.15: v2(2625.98,181.1) 2665.35,181.1 2676.18,170.28 2721.46,170.28 2755.91,204.72 2791.34,204.72 2831.69,245.08 2831.69,303.3 2888.79,360.4 2986.38,360.4 v1(3031.5,405.51)
  L10 w3.15: v1(3031.5,405.51) 3035.43,405.51 3043.31,413.39 3043.31,574.8 3011.81,606.3 3011.81,637.8 3027.56,653.54 3027.56,688.3 3051.18,711.92 v2(3051.18,767.72)
  L12 w3.15: v2(2625.98,181.1) 2628.03,183.15 RN3.5@2677.17,183.15